# KiCad board glasgow_revD0.kicad_pcb
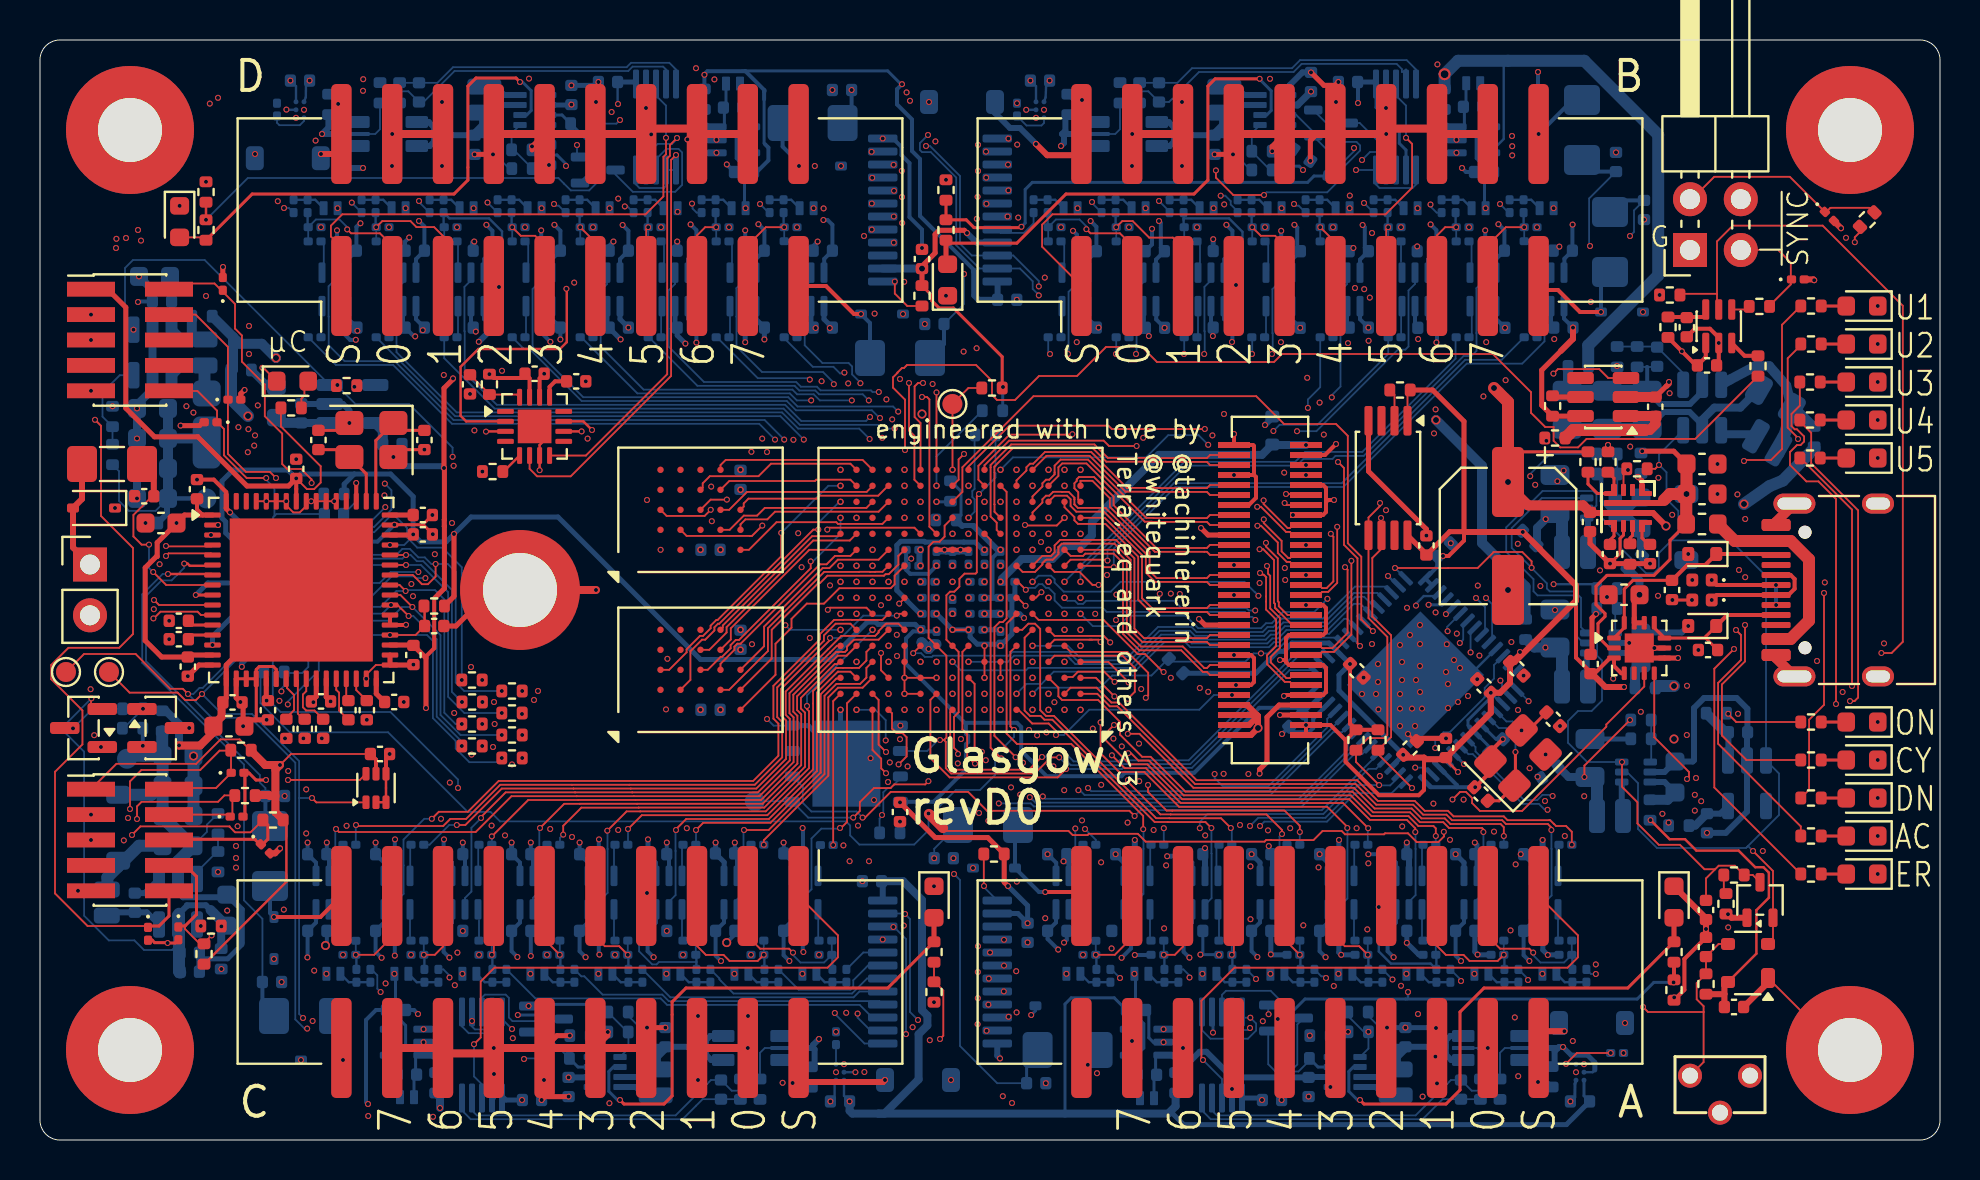
[diagram p0: board, top side]
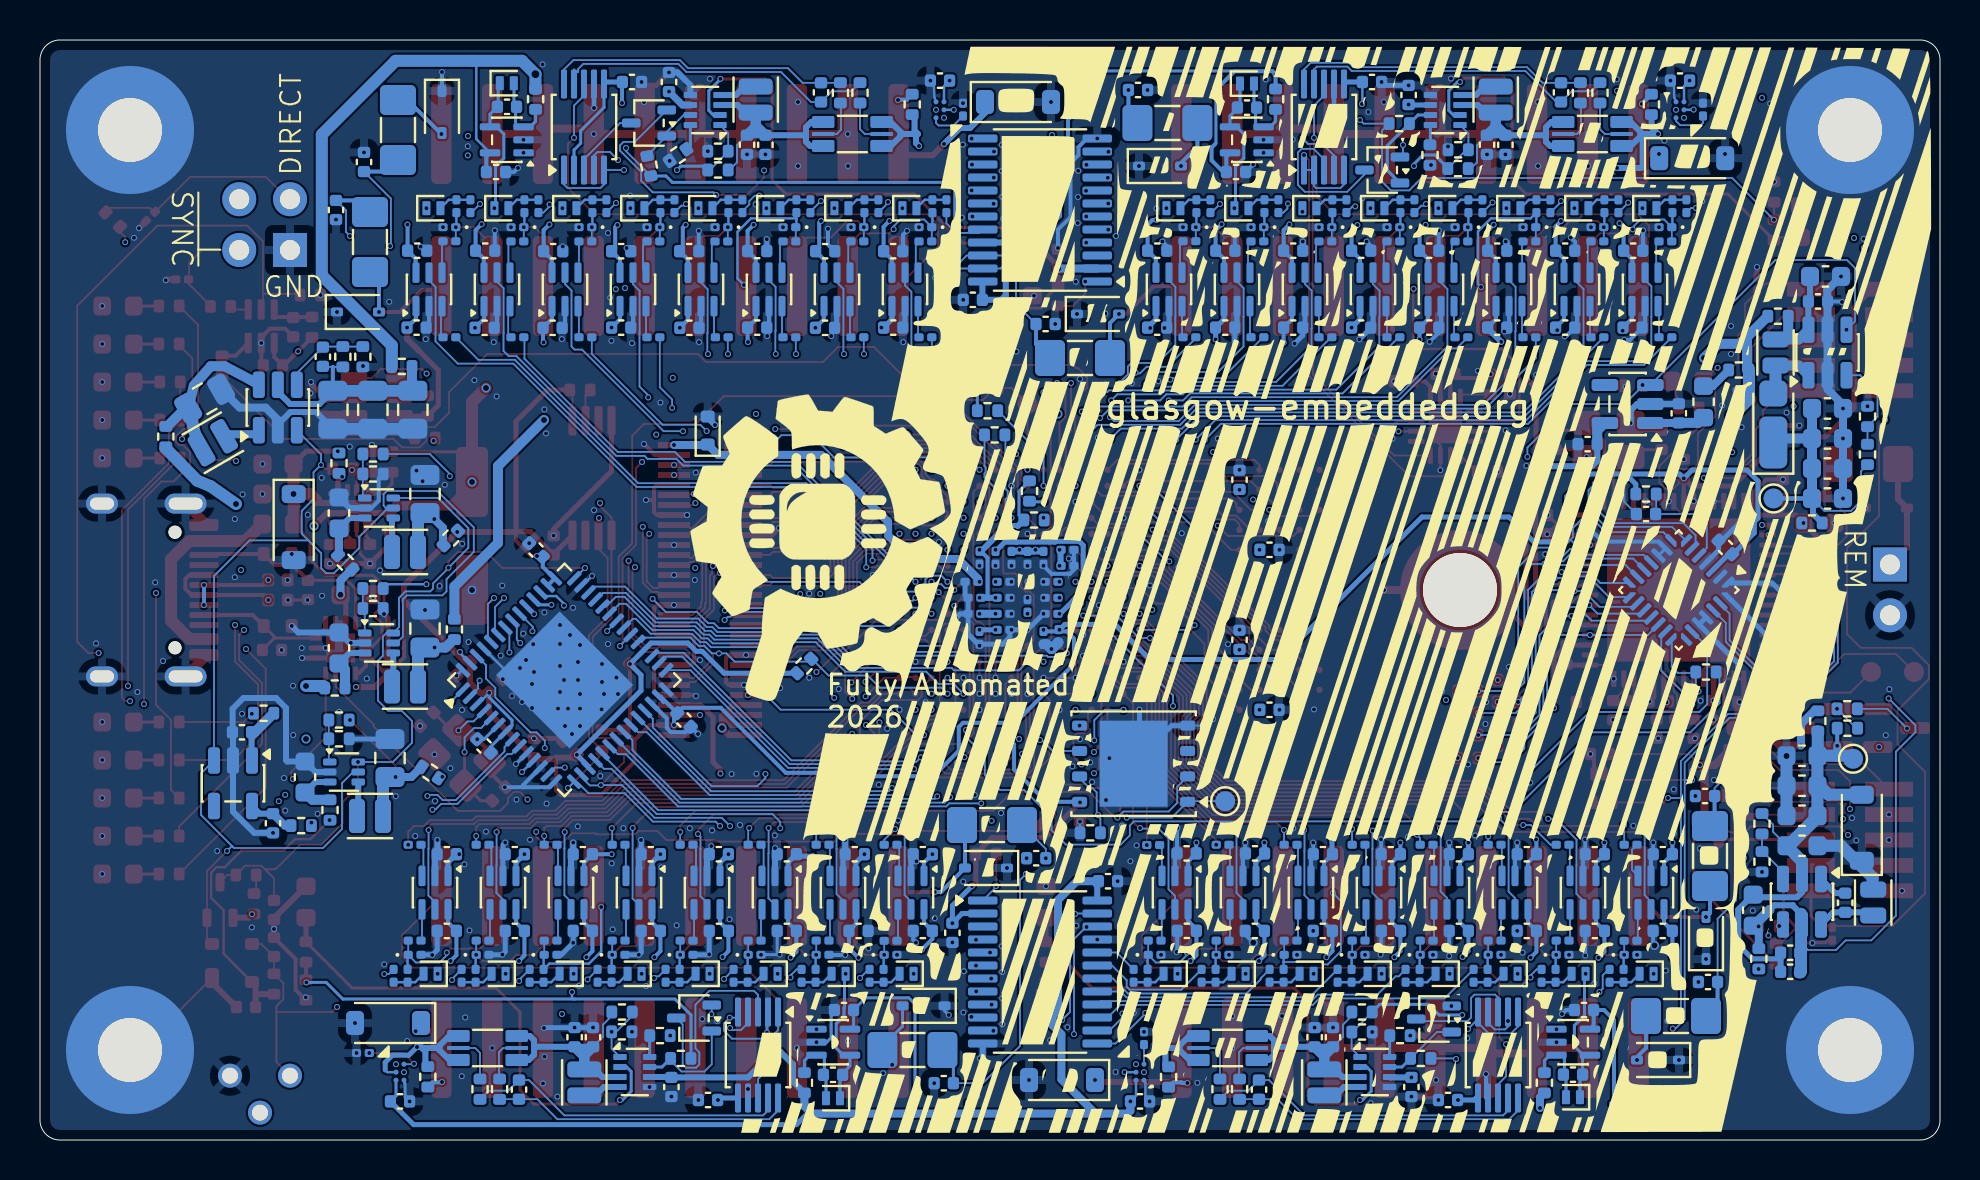
[diagram p1: board, bottom side, seen from below]

Outline 95 x 55 mm; copper layers: Top, In1.Cu (plane), In2.Cu, In3.Cu, In4.Cu (plane), Bottom. Coordinates in mm from the lower left corner of the outline.
Outline path: rectangle 0,55 95,0
Stack: Top 0.035mm / dielectric 0.0994mm Nan Ya Plastics NP-155F 3313 er 4.1 / In1.Cu 0.0152mm / dielectric 0.55mm Nan Ya Plastics NP-155F Core er 4.41 / In2.Cu 0.0152mm / dielectric 0.1164mm Nan Ya Plastics NP-155F 2116 er 4.16 / In3.Cu 0.0152mm / dielectric 0.55mm Nan Ya Plastics NP-155F Core er 4.41 / In4.Cu 0.0152mm / dielectric 0.0994mm Nan Ya Plastics NP-155F 3313 er 4.1 / Bottom 0.035mm

## Placement (name value [footprint] x y rotation side)
C1  1uF  [C_0402_1005Metric]  68.5 19.6 45 top
C2  1uF  [C_0402_1005Metric]  70.3 19.6 90 top
C3  1uF  [C_0402_1005Metric]  73.84 23.56 315 top
C4  1uF  [C_0402_1005Metric]  72.8 19.7 45 bottom
C5  1uF  [C_0402_1005Metric]  65.84 23.46 315 top
C6  1uF  [C_0402_1005Metric]  70.2 29.5 45 bottom
C7  1uF  [C_0402_1005Metric]  62.8 21 225 bottom
C8  1uF  [C_0402_1005Metric]  72.2 22.7 135 top
C9  100nF  [C_0402_1005Metric]  69.32 29.73 90 top
C10  12pF  [C_0402_1005Metric]  75.66 21.04 135 top
C11  12pF  [C_0402_1005Metric]  72.05 17.3 315 top
C12  100nF  [C_0402_1005Metric]  17 19.3 0 top
C13  470nF  [C_0603_1608Metric]  83.1 32.3 180 top
C14  330pF  [C_0402_1005Metric]  83.4 24.5 180 top
C15  330pF  [C_0402_1005Metric]  81.6 27.5 270 top
C16  10uF  [C_0603_1608Metric]  79.2 27.26 0 top
C17  1uF  [C_0402_1005Metric]  77.53 23.8 90 top
C18  470nF  [C_0603_1608Metric]  83.1 33.8 180 top
C19  4.7nF  [C_0402_1005Metric]  78.5 29.3 90 top
C20  1.3nF  [C_0402_1005Metric]  80.5 29.3 90 top
C21  1uF  [C_0402_1005Metric]  77.5 30.9 270 top
C22  220uF  [CP_Elec_6.3x4.5]  73.4 30.2 270 top
C23  100nF  [C_0402_1005Metric]  14.7 31.3 0 bottom
C24  4.7uF  [C_0402_1005Metric]  11.4 21.49 270 top
C25  1uF/25V  [C_0402_1005Metric]  7.39 23.67 270 top
C26  4.7uF  [C_0402_1005Metric]  14.05 21.93 0 top
C27  4.7uF  [C_0402_1005Metric]  10.73 29.63 225 bottom
C28  1uF/25V  [C_0402_1005Metric]  7.85 32.54 90 top
C29  4.7uF  [C_0402_1005Metric]  18.67 24.25 270 top
C30  10uF/25V  [C_0603_1608Metric]  6.05 30.85 180 top  (not fitted)
C31  4.7uF  [C_0402_1005Metric]  19.14 30.28 0 top
C32  4.7uF  [C_0402_1005Metric]  12.81 33.56 90 top
C33  1uF/25V  [C_0402_1005Metric]  9.63 21.88 0 top
C34  10uF/25V  [C_0603_1608Metric]  9.45 20.69 0 top  (not fitted)
C35  100pF  [C_0402_1005Metric]  12.32 20.56 90 top
C36  10pF  [C_0402_1005Metric]  19.22 35 270 top
C37  470nF  [C_0402_1005Metric]  13.24 20.56 90 top
C38  10pF  [C_0402_1005Metric]  13.92 35 90 top
C39  470nF  [C_0402_1005Metric]  14.16 20.56 90 top
C40  10nF  [C_0402_1005Metric]  6.94 25.96 180 top
C41  10nF  [C_0402_1005Metric]  6.94 25.04 180 top
C42  1nF/C0G  [C_0402_1005Metric]  15.42 21.49 270 top
C43  10nF  [C_0402_1005Metric]  19.71 25.7 0 top
C44  100nF  [C_0402_1005Metric]  17.71 21.9 0 top
C45  4.7uF  [C_0402_1005Metric]  19.14 31.25 0 top
C46  1uF  [C_0402_1005Metric]  16.34 21.49 90 top
C47  220pF  [C_0402_1005Metric]  45.19 14.09 0 bottom
C48  220pF  [C_0402_1005Metric]  80.2 46.5 270 bottom
C49  220pF  [C_0402_1005Metric]  11.75 17.2 0 bottom
C50  220pF  [C_0402_1005Metric]  44.72 40.8 180 bottom
C51  220pF  [C_0402_1005Metric]  5.21 32.19 180 top
C52  220pF  [C_0402_1005Metric]  49.81 2.84 0 bottom
C53  220pF  [C_0402_1005Metric]  78.8 48.9 90 bottom
C54  220pF  [C_0402_1005Metric]  11.6 7.9 0 bottom
C55  220pF  [C_0402_1005Metric]  40.1 52.5 180 bottom
C56  1uF  [C_0201_0603Metric]  44.43 26.31 0 bottom
C57  1uF  [C_0201_0603Metric]  47.22 29.11 270 bottom
C58  1uF  [C_0402_1005Metric]  43 16.4 270 top
C59  1uF  [C_0201_0603Metric]  46.82 26.31 180 bottom
C60  1uF  [C_0201_0603Metric]  48.03 29.11 270 bottom
C61  1uF  [C_0201_0603Metric]  45.62 26.71 90 bottom
C62  1uF  [C_0201_0603Metric]  48.28 26.31 0 bottom
C63  1uF  [C_0201_0603Metric]  44.43 27.11 0 bottom
C64  1uF  [C_0201_0603Metric]  44.82 29.11 270 bottom
C65  1uF  [C_0201_0603Metric]  44.82 25.11 270 bottom
C66  1uF  [C_0201_0603Metric]  45.62 29.11 270 bottom
C67  1uF  [C_0201_0603Metric]  48.28 27.11 0 bottom
C68  1uF  [C_0201_0603Metric]  46.43 29.11 270 bottom
C69  1uF  [C_0201_0603Metric]  46.82 27.11 180 bottom
C70  100nF  [C_0402_1005Metric]  83.35 38.73 0 top
C71  100nF  [C_0402_1005Metric]  82.34 40.64 270 top
C72  1uF  [C_0201_0603Metric]  43.62 29.51 180 bottom
C73  1uF  [C_0201_0603Metric]  43.62 28.71 180 bottom
C74  1uF  [C_0402_1005Metric]  33.53 21.51 180 bottom
C75  1uF  [C_0402_1005Metric]  33.53 29.51 180 bottom
C76  1uF  [C_0402_1005Metric]  35.03 25.01 90 bottom
C77  1uF  [C_0402_1005Metric]  35.03 33.01 90 bottom
C78  1uF  [C_0201_0603Metric]  48.43 27.91 0 bottom
C79  1uF  [C_0201_0603Metric]  46.82 27.91 180 bottom
C80  10uF  [C_0805_2012Metric]  86.77 37.06 150 bottom
C81  4.7uF  [C_0603_1608Metric]  80.05 31.35 90 bottom
C82  4.7uF  [C_0603_1608Metric]  80.05 24.6 90 bottom
C83  100nF  [C_0402_1005Metric]  83.3 9.65 90 top
C84  100nF  [C_0402_1005Metric]  84.7 6.65 180 top
C85  22uF  [C_0805_2012Metric]  75.75 32.3 90 bottom
C86  22uF  [C_0805_2012Metric]  75.75 25.57 90 bottom
C87  360pF  [C_0402_1005Metric]  80.86 39.16 90 bottom
C88  22uF  [C_0805_2012Metric]  76.36 36.51 270 bottom
C89  4.7uF  [C_0603_1608Metric]  81.75 18.15 90 bottom
C90  1uF  [C_0402_1005Metric]  84.9 20.39 0 bottom
C91  22uF  [C_0805_2012Metric]  78.36 36.51 270 bottom
C92  100nF  [C_0402_1005Metric]  83.3 11.5 270 top
C93  22uF  [C_0805_2012Metric]  80.36 36.51 270 bottom
C94  10uF  [C_0402_1005Metric]  83.35 15.84 270 bottom
C95  1uF  [C_0402_1005Metric]  80.76 36.66 90 top
C96  1uF  [C_0402_1005Metric]  13.06 36.33 90 bottom
C97  22uF  [C_0805_2012Metric]  77.5 19.1 90 bottom
C98  10uF  [C_0603_1608Metric]  9.34 11.49 90 bottom
C99  10uF  [C_0402_1005Metric]  17.62 34.8 0 bottom
C100  100nF  [C_0402_1005Metric]  21.5 37.78 90 top
C101  2.2uF  [C_0402_1005Metric]  7.49 8.41 0 bottom
C102  2.2uF  [C_0402_1005Metric]  7.49 9.36 0 bottom
C103  1uF  [C_0402_1005Metric]  24.73 38.31 0 top
C104  1.5uF  [C_0402_1005Metric]  26.81 37.93 0 top
C105  10uF  [C_0603_1608Metric]  5.72 43.18 180 bottom
C106  2.2uF  [C_0402_1005Metric]  6.1 41.93 180 bottom
C107  100nF/50V  [C_0402_1005Metric]  4.74 11.86 270 bottom
C108  10uF/35V  [C_0603_1608Metric]  6.9 14.71 0 bottom
C109  10uF  [C_0603_1608Metric]  5.62 36.58 180 bottom
C110  10uF/35V  [C_0603_1608Metric]  6.9 16.21 180 bottom
C111  10uF  [C_0603_1608Metric]  5.62 32.08 180 bottom
C112  10uF/35V  [C_0603_1608Metric]  6.9 19.21 180 bottom
C113  10uF  [C_0603_1608Metric]  5.62 35.08 180 bottom
C114  10uF/35V  [C_0603_1608Metric]  6.9 17.71 180 bottom
C115  10uF  [C_0603_1608Metric]  5.62 33.58 180 bottom
C116  1uF  [C_0201_0603Metric]  48.03 25.11 270 bottom
C117  1uF  [C_0201_0603Metric]  46.82 25.51 180 bottom
C118  1uF  [C_0201_0603Metric]  44.43 27.91 0 bottom
C119  1uF  [C_0201_0603Metric]  44.07 25.2 270 bottom
C120  1uF  [C_0402_1005Metric]  49.38 10.36 270 bottom
C121  1uF  [C_0402_1005Metric]  44.1 44.05 90 top
C122  1uF  [C_0402_1005Metric]  41.6 12.94 180 bottom
C123  1uF  [C_0402_1005Metric]  48.36 42.01 0 bottom
C124  10uF  [C_0402_1005Metric]  63.43 2.65 270 bottom
C125  1uF  [C_0402_1005Metric]  74.66 14.29 180 bottom
C126  1uF  [C_0402_1005Metric]  61.06 14.29 180 bottom
C127  1uF  [C_0402_1005Metric]  74.66 10.45 0 bottom
C128  1uF  [C_0402_1005Metric]  61.06 10.45 0 bottom
C129  1uF  [C_0402_1005Metric]  71.26 14.29 180 bottom
C130  1uF  [C_0402_1005Metric]  57.66 14.29 180 bottom
C131  10uF  [C_0402_1005Metric]  68.27 5.14 90 bottom
C132  1uF  [C_0402_1005Metric]  71.26 10.45 0 bottom
C133  1uF  [C_0402_1005Metric]  57.66 10.45 0 bottom
C134  10uF  [C_0402_1005Metric]  67.35 5.14 90 bottom
C135  100nF  [C_0402_1005Metric]  71.05 2.52 90 bottom
C136  1uF  [C_0402_1005Metric]  67.86 14.29 180 bottom
C137  1uF  [C_0402_1005Metric]  54.26 14.29 180 bottom
C138  1uF  [C_0402_1005Metric]  67.86 10.45 0 bottom
C139  1uF  [C_0402_1005Metric]  54.07 10.45 180 bottom
C140  1uF  [C_0402_1005Metric]  77 1.93 180 bottom
C141  1uF  [C_0402_1005Metric]  61.6 2 0 bottom
C142  1nF  [C_0201_0603Metric]  78.85 4.35 0 bottom
C143  1uF  [C_0402_1005Metric]  64.46 14.29 180 bottom
C144  1uF  [C_0402_1005Metric]  50.86 14.29 180 bottom
C145  1uF  [C_0402_1005Metric]  64.46 10.45 0 bottom
C146  1uF  [C_0402_1005Metric]  50.86 10.45 0 bottom
C147  1uF  [C_0402_1005Metric]  54.8 6.5 0 bottom
C148  ~  [C_0402_1005Metric]  55.35 3.26 0 bottom  (not fitted)
C149  10uF  [C_0402_1005Metric]  63.55 52.9 90 bottom
C150  1uF  [C_0402_1005Metric]  52.34 40.62 0 bottom
C151  1uF  [C_0402_1005Metric]  65.94 40.62 0 bottom
C152  1uF  [C_0402_1005Metric]  52.34 44.44 180 bottom
C153  1uF  [C_0402_1005Metric]  65.94 44.44 180 bottom
C154  1uF  [C_0402_1005Metric]  55.75 40.61 0 bottom
C155  1uF  [C_0402_1005Metric]  69.37 40.61 0 bottom
C156  10uF  [C_0402_1005Metric]  58.73 49.76 270 bottom
C157  1uF  [C_0402_1005Metric]  55.74 44.44 180 bottom
C158  1uF  [C_0402_1005Metric]  69.34 44.44 180 bottom
C159  10uF  [C_0402_1005Metric]  59.65 49.76 270 bottom
C160  100nF  [C_0402_1005Metric]  55.95 52.38 270 bottom
C161  1uF  [C_0402_1005Metric]  59.14 40.62 0 bottom
C162  1uF  [C_0402_1005Metric]  72.77 40.61 0 bottom
C163  1uF  [C_0402_1005Metric]  59.14 44.45 180 bottom
C164  1uF  [C_0402_1005Metric]  72.74 44.47 180 bottom
C165  1uF  [C_0402_1005Metric]  50 52.97 0 bottom
C166  1uF  [C_0402_1005Metric]  65.4 52.9 180 bottom
C167  1nF  [C_0201_0603Metric]  48.85 51.52 90 bottom
C168  1uF  [C_0402_1005Metric]  62.53 40.61 0 bottom
C169  1uF  [C_0402_1005Metric]  76.17 40.62 0 bottom
C170  1uF  [C_0402_1005Metric]  62.54 44.44 180 bottom
C171  1uF  [C_0402_1005Metric]  76.14 44.47 180 bottom
C172  1uF  [C_0402_1005Metric]  72.2 48.4 180 bottom
C173  ~  [C_0402_1005Metric]  71.65 51.66 180 bottom  (not fitted)
C174  10uF  [C_0402_1005Metric]  26.43 2.65 270 bottom
C175  1uF  [C_0402_1005Metric]  37.67 14.33 180 bottom
C176  1uF  [C_0402_1005Metric]  24.06 14.29 180 bottom
C177  1uF  [C_0402_1005Metric]  37.66 10.46 0 bottom
C178  1uF  [C_0402_1005Metric]  24.06 10.45 0 bottom
C179  1uF  [C_0402_1005Metric]  34.25 14.33 180 bottom
C180  1uF  [C_0402_1005Metric]  20.66 14.29 180 bottom
C181  10uF  [C_0402_1005Metric]  31.27 5.14 90 bottom
C182  1uF  [C_0402_1005Metric]  34.26 10.45 0 bottom
C183  1uF  [C_0402_1005Metric]  20.66 10.45 0 bottom
C184  10uF  [C_0402_1005Metric]  30.35 5.14 90 bottom
C185  100nF  [C_0402_1005Metric]  34.05 2.52 90 bottom
C186  1uF  [C_0402_1005Metric]  30.86 14.29 180 bottom
C187  1uF  [C_0402_1005Metric]  17.26 14.29 180 bottom
C188  1uF  [C_0402_1005Metric]  30.86 10.45 0 bottom
C189  1uF  [C_0402_1005Metric]  17.26 10.45 0 bottom
C190  1uF  [C_0402_1005Metric]  40 1.93 180 bottom
C191  1uF  [C_0402_1005Metric]  24.6 2 0 bottom
C192  1nF  [C_0201_0603Metric]  39.8 5.09 90 bottom
C193  1uF  [C_0402_1005Metric]  27.46 14.29 180 bottom
C194  1uF  [C_0402_1005Metric]  13.86 14.29 180 bottom
C195  1uF  [C_0402_1005Metric]  27.45 10.45 0 bottom
C196  1uF  [C_0402_1005Metric]  13.86 10.45 0 bottom
C197  1uF  [C_0402_1005Metric]  17.8 6.5 0 bottom
C198  ~  [C_0402_1005Metric]  18.35 3.27 0 bottom  (not fitted)
C199  10uF  [C_0402_1005Metric]  26.57 52.25 90 bottom
C200  1uF  [C_0402_1005Metric]  15.37 40.62 0 bottom
C201  1uF  [C_0402_1005Metric]  28.94 40.62 0 bottom
C202  1uF  [C_0402_1005Metric]  15.34 44.47 180 bottom
C203  1uF  [C_0402_1005Metric]  28.94 44.47 180 bottom
C204  1uF  [C_0402_1005Metric]  18.74 40.62 0 bottom
C205  1uF  [C_0402_1005Metric]  32.34 40.62 0 bottom
C206  10uF  [C_0402_1005Metric]  21.73 49.76 270 bottom
C207  1uF  [C_0402_1005Metric]  18.74 44.47 180 bottom
C208  1uF  [C_0402_1005Metric]  32.34 44.47 180 bottom
C209  10uF  [C_0402_1005Metric]  22.65 49.76 270 bottom
C210  100nF  [C_0402_1005Metric]  18.95 52.38 270 bottom
C211  1uF  [C_0402_1005Metric]  22.14 40.62 0 bottom
C212  1uF  [C_0402_1005Metric]  35.74 40.62 0 bottom
C213  1uF  [C_0402_1005Metric]  22.14 44.47 180 bottom
C214  1uF  [C_0402_1005Metric]  35.73 44.47 180 bottom
C215  1uF  [C_0402_1005Metric]  13 52.97 0 bottom
C216  1uF  [C_0402_1005Metric]  28.4 52.9 180 bottom
C217  1nF  [C_0201_0603Metric]  11.85 51.52 90 bottom
C218  1uF  [C_0402_1005Metric]  25.54 40.62 0 bottom
C219  1uF  [C_0402_1005Metric]  39.14 40.62 0 bottom
C220  1uF  [C_0402_1005Metric]  25.54 44.47 180 bottom
C221  1uF  [C_0402_1005Metric]  39.14 44.47 180 bottom
C222  1uF  [C_0402_1005Metric]  35.2 48.4 180 bottom
C223  ~  [C_0402_1005Metric]  34.65 51.62 180 bottom  (not fitted)
D1  GRN  [LED_0603_1608Metric]  91.1 20.9 180 top
D2  WHT  [LED_0603_1608Metric]  91.1 19 180 top
D3  BLU  [LED_0603_1608Metric]  91.1 17.1 180 top
D4  ORA  [LED_0603_1608Metric]  91.1 15.2 180 top
D5  RED  [LED_0603_1608Metric]  91.1 13.3 180 top
D6  3.3V  [D_0402_1005Metric]  83.1 27 180 top
D7  3.3V  [D_0402_1005Metric]  83.1 28 180 top
D8  5V  [D_SOD-523]  83.11 25.7 180 top
D9  5V  [D_SOD-523]  83.11 29.3 180 top
D10  20V  [D_SOD-123]  82.32 30.65 270 bottom
D11  3.3V  [D_0201_0603Metric]  8.53 35.89 180 top
D12  3.3V  [D_0201_0603Metric]  9.72 37.02 0 top
D13  3.3V  [D_0201_0603Metric]  9.14 42.81 90 top
D14  PNK  [LED_0603_1608Metric]  12.62 37.94 0 top
D15  20V  [D_SOD-323]  47.7 13.6 0 bottom
D16  20V  [D_SOD-323]  50.82 6.71 0 bottom
D17  20V  [D_SOD-323]  79.1 41.4 180 bottom
D18  20V  [D_SOD-323]  74.9 51.4 270 bottom
D19  20V  [D_SOD-323]  11.7 10.1 90 bottom
D20  20V  [D_SOD-323]  14.1 4 0 bottom
D21  20V  [D_SOD-323]  42.1 41.3 180 bottom
D22  20V  [D_SOD-323]  39 48.7 180 bottom
D23  20V  [D_SOD-323]  2.7 31.6 180 top
D24  BLU  [LED_0603_1608Metric]  91.1 41.7 180 top
D25  PNK  [LED_0603_1608Metric]  91.1 39.8 180 top
D26  WHT  [LED_0603_1608Metric]  91.1 37.9 180 top
D27  PNK  [LED_0603_1608Metric]  91.1 36 180 top
D28  BLU  [LED_0603_1608Metric]  91.1 34.1 180 top
D29  3.3V  [D_0201_0603Metric]  5.4 10.31 270 top
D30  3.3V  [D_0201_0603Metric]  9.83 16.17 0 top
D31  3.3V  [D_0201_0603Metric]  9.88 18.36 0 top
D32  3.3V  [D_0201_0603Metric]  87.9 43.03 0 top
D33  3.3V  [D_0201_0603Metric]  11.27 14.56 315 top
D34  3.3V  [D_0201_0603Metric]  6.92 10.33 270 top
D35  3.3V  [D_0201_0603Metric]  89.47 46.18 315 top
D36  3.6V  [D_SOD-523]  61.62 35.47 90 bottom
D37  BAT54AW  [SOT-323_SC-70]  86 12 90 top
D38  30V  [D_SOD-123HE]  8.34 35.68 90 bottom
D39  24V  [D_SOD-123]  3.91 15.61 90 bottom
D40  GRN  [LED_0603_1608Metric]  81.7 11.9 270 top
D41  BAT54CW  [SOT-323_SC-70]  62.3 6.1 0 bottom
D42  BAT54L  [D_SOD-882]  55.35 2.09 0 bottom
D43  BAT54L  [D_SOD-882]  75.47 8.31 0 bottom
D44  BAT54L  [D_SOD-882]  72.07 8.31 0 bottom
D45  BAT54L  [D_SOD-882]  68.67 8.31 0 bottom
D46  BAT54L  [D_SOD-882]  65.27 8.31 0 bottom
D47  BAT54L  [D_SOD-882]  61.87 8.31 0 bottom
D48  BAT54L  [D_SOD-882]  58.47 8.31 0 bottom
D49  BAT54L  [D_SOD-882]  55.07 8.31 0 bottom
D50  BAT54L  [D_SOD-882]  51.67 8.31 0 bottom
D51  5.5V  [D_0201_0603Metric]  72.87 9.26 180 bottom
D52  5.5V  [D_0201_0603Metric]  66.07 9.26 180 bottom
D53  5.5V  [D_0201_0603Metric]  62.67 9.26 180 bottom
D54  5.5V  [D_0201_0603Metric]  55.87 9.26 180 bottom
D55  5.5V  [D_0201_0603Metric]  52.47 9.26 180 bottom
D56  5.5V  [D_0201_0603Metric]  59.27 9.26 180 bottom
D57  5.5V  [D_0201_0603Metric]  69.47 9.26 180 bottom
D58  5.5V  [D_0201_0603Metric]  76.27 9.26 180 bottom
D59  6V  [D_SOD-123]  77.6 5.85 0 bottom
D60  GRN  [LED_0603_1608Metric]  45.38 43 90 top
D61  BAT54CW  [SOT-323_SC-70]  64.55 50.85 0 bottom
D62  BAT54L  [D_SOD-882]  71.66 52.84 180 bottom
D63  BAT54L  [D_SOD-882]  51.53 46.59 180 bottom
D64  BAT54L  [D_SOD-882]  54.93 46.59 180 bottom
D65  BAT54L  [D_SOD-882]  58.33 46.59 180 bottom
D66  BAT54L  [D_SOD-882]  61.73 46.59 180 bottom
D67  BAT54L  [D_SOD-882]  65.13 46.59 180 bottom
D68  BAT54L  [D_SOD-882]  68.53 46.59 180 bottom
D69  BAT54L  [D_SOD-882]  71.93 46.59 180 bottom
D70  BAT54L  [D_SOD-882]  75.33 46.59 180 bottom
D71  5.5V  [D_0201_0603Metric]  54.13 45.64 0 bottom
D72  5.5V  [D_0201_0603Metric]  60.93 45.64 0 bottom
D73  5.5V  [D_0201_0603Metric]  64.33 45.64 0 bottom
D74  5.5V  [D_0201_0603Metric]  71.13 45.64 0 bottom
D75  5.5V  [D_0201_0603Metric]  74.53 45.64 0 bottom
D76  5.5V  [D_0201_0603Metric]  67.73 45.64 0 bottom
D77  5.5V  [D_0201_0603Metric]  57.53 45.64 0 bottom
D78  5.5V  [D_0201_0603Metric]  50.73 45.64 0 bottom
D79  6V  [D_SOD-123]  46.1 51.9 180 bottom
D80  GRN  [LED_0603_1608Metric]  44.7 11.9 270 top
D81  BAT54CW  [SOT-323_SC-70]  25.3 6.05 0 bottom
D82  BAT54L  [D_SOD-882]  18.35 2.14 0 bottom
D83  BAT54L  [D_SOD-882]  38.47 8.31 0 bottom
D84  BAT54L  [D_SOD-882]  35.07 8.31 0 bottom
D85  BAT54L  [D_SOD-882]  31.67 8.31 0 bottom
D86  BAT54L  [D_SOD-882]  28.27 8.31 0 bottom
D87  BAT54L  [D_SOD-882]  24.87 8.31 0 bottom
D88  BAT54L  [D_SOD-882]  21.47 8.31 0 bottom
D89  BAT54L  [D_SOD-882]  18.07 8.31 0 bottom
D90  BAT54L  [D_SOD-882]  14.67 8.31 0 bottom
D91  5.5V  [D_0201_0603Metric]  35.87 9.26 180 bottom
D92  5.5V  [D_0201_0603Metric]  29.07 9.26 180 bottom
D93  5.5V  [D_0201_0603Metric]  25.67 9.26 180 bottom
D94  5.5V  [D_0201_0603Metric]  18.87 9.26 180 bottom
D95  5.5V  [D_0201_0603Metric]  15.47 9.26 180 bottom
D96  5.5V  [D_0201_0603Metric]  22.27 9.26 180 bottom
D97  5.5V  [D_0201_0603Metric]  32.47 9.26 180 bottom
D98  5.5V  [D_0201_0603Metric]  39.27 9.26 180 bottom
D99  6V  [D_SOD-123]  43.9 3 0 bottom
D100  GRN  [LED_0603_1608Metric]  6.98 45.92 270 top
D101  BAT54CW  [SOT-323_SC-70]  27.89 48.5 0 bottom
D102  BAT54L  [D_SOD-882]  34.65 52.82 180 bottom
D103  BAT54L  [D_SOD-882]  14.53 46.59 180 bottom
D104  BAT54L  [D_SOD-882]  17.93 46.59 180 bottom
D105  BAT54L  [D_SOD-882]  21.33 46.59 180 bottom
D106  BAT54L  [D_SOD-882]  24.73 46.59 180 bottom
D107  BAT54L  [D_SOD-882]  28.13 46.59 180 bottom
D108  BAT54L  [D_SOD-882]  31.53 46.59 180 bottom
D109  BAT54L  [D_SOD-882]  34.93 46.59 180 bottom
D110  BAT54L  [D_SOD-882]  38.33 46.59 180 bottom
D111  5.5V  [D_0201_0603Metric]  17.13 45.64 0 bottom
D112  5.5V  [D_0201_0603Metric]  23.93 45.64 0 bottom
D113  5.5V  [D_0201_0603Metric]  27.33 45.64 0 bottom
D114  5.5V  [D_0201_0603Metric]  34.13 45.64 0 bottom
D115  5.5V  [D_0201_0603Metric]  37.53 45.64 0 bottom
D116  5.5V  [D_0201_0603Metric]  30.73 45.64 0 bottom
D117  5.5V  [D_0201_0603Metric]  20.53 45.64 0 bottom
D118  5.5V  [D_0201_0603Metric]  13.73 45.64 0 bottom
D119  6V  [D_SOD-123]  12.39 49.09 180 bottom
FB1  300R/2A  [L_0603_1608Metric]  83.1 30.8 180 top
FB2  120R@100MHz  [L_0603_1608Metric]  11.82 36.91 270 bottom
G1  Fully_Automated_Logo  [fully_automated_logo_silkscreen]  56.11 29.62 180 bottom
H1  MountingHole_Pad  [MountingHole_3.2mm_M3_Pad]  90.5 4.5 0 top  (not fitted)
H2  MountingHole_Pad  [MountingHole_3.2mm_M3_Pad]  90.5 50.5 0 top  (not fitted)
H3  MountingHole_Pad  [MountingHole_3.2mm_M3_Pad]  4.5 4.5 0 top  (not fitted)
H4  MountingHole_Pad  [MountingHole_3.2mm_M3_Pad]  4.5 50.5 0 top  (not fitted)
H5  Addon Mounting Hole  [Mounting_Wuerth_WA-SMSI-M2.5_H5mm_9774050151]  24 27.5 0 top
J1  USB-C  [USB_C_Receptacle_HRO_TYPE-C-31-M-12]  90.85 27.5 90 top
J2  SWD  [PinHeader_2x05_P1.27mm_Vertical_SMD]  4.5 40 0 top
J3  COM  [PinHeader_1x02_P2.54mm_Vertical]  2.5 28.78 0 top
J4  SYNC  [PinHeader_2x02_P2.54mm_Horizontal]  82.5 44.5 90 top  (not fitted)
J5  JTAG  [PinHeader_2x05_P1.27mm_Vertical_SMD]  4.5 15 0 top
J6  LVDS  [Hirose_DF12_DF12C3.0-60DS-0.5V_2x30_P0.50mm_Vertical]  61.5 27.5 90 top
J7  P1  [IDC-Header_2x10_P2.54mm_Vertical_SMD]  63.5 8.4 270 top
J8  P1  [IDC-Header_2x10_P2.54mm_Vertical_SMD]  63.5 46.5 90 top
J9  P1  [IDC-Header_2x10_P2.54mm_Vertical_SMD]  26.5 8.4 270 top
J10  P1  [IDC-Header_2x10_P2.54mm_Vertical_SMD]  26.5 46.5 90 top
L1  2.2uH  [L_Changjiang_FTC201612S]  86.36 34.86 150 bottom
L2  1uH  [L_Changjiang_FTC201612S]  76.75 29.4 180 bottom
L3  1uH  [L_Changjiang_FTC201612S]  76.75 22.67 180 bottom
L4  1uH  [L_Changjiang_FTC201612S]  78.5 16.2 180 bottom
L5  10uH  [L_Changjiang_FTC201212S]  8.22 39.38 270 bottom
L6  10uH  [L_Changjiang_FTC201212S]  3.34 11.87 90 bottom
L7  2.2uH  [L_Changjiang_FTC201612S]  67.78 2.88 90 bottom
L8  2.2uH  [L_Changjiang_FTC201612S]  59.22 52.02 270 bottom
L9  2.2uH  [L_Changjiang_FTC201612S]  30.78 2.88 90 bottom